# Altium PCB PCB1.PcbDoc
Units mil, origin at the board's own origin, x right, y up, seen from the top; angles counter-clockwise.
Board outline 5475 x 3255 mil, 2 copper layers (Top Layer, Bottom Layer); 17 components, 45 nets, 132 pads, 60 vias.
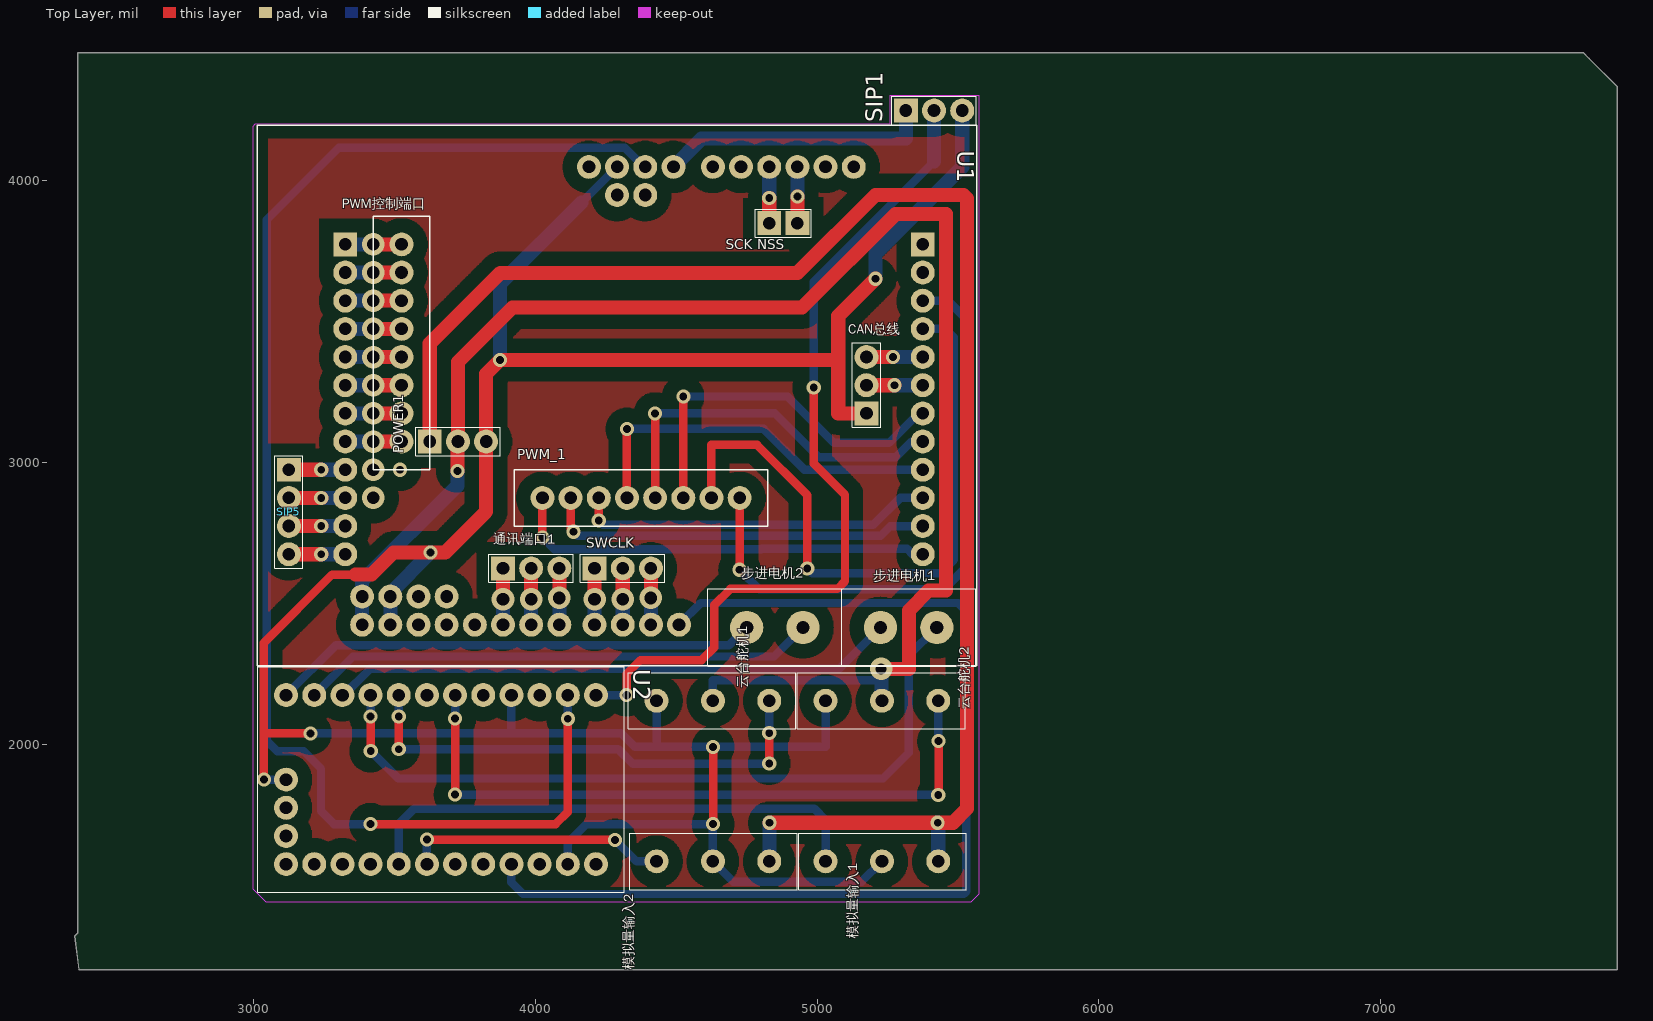
[diagram p0: Top Layer view]
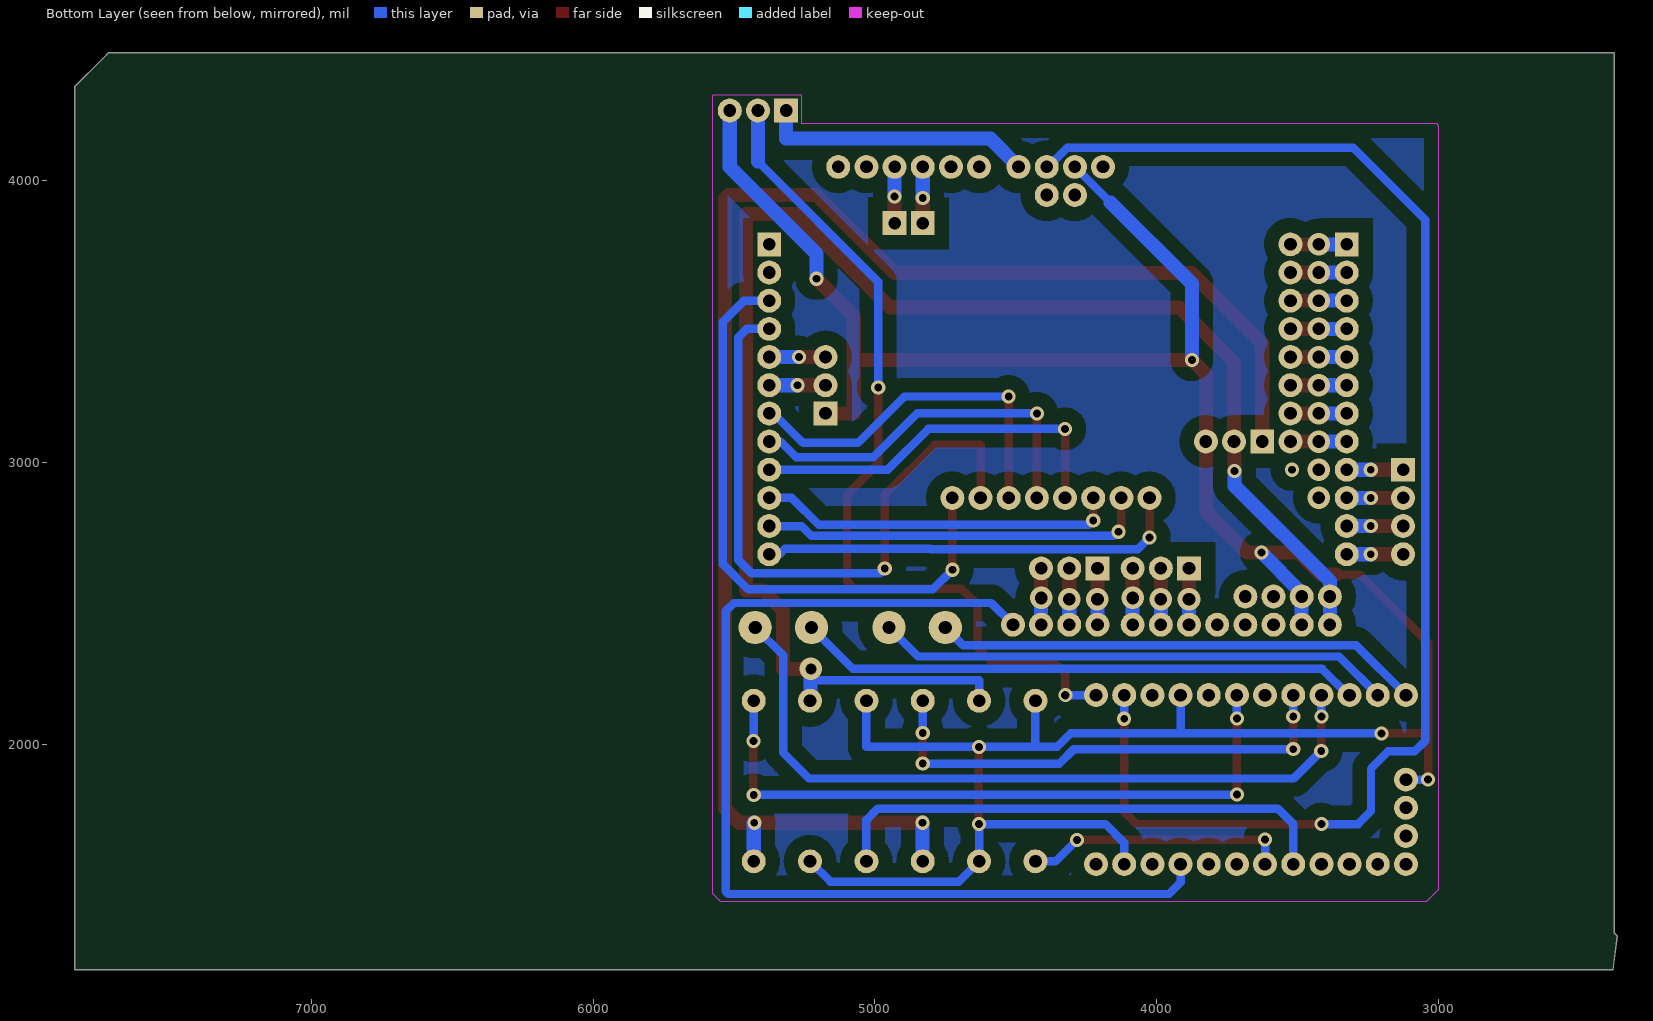
[diagram p1: Bottom Layer view, seen from below]

## Layer stack, top to bottom
Top Layer: signal copper 1.4
Dielectric: dielectric 12.6, FR-4, Dk 4.8
Bottom Layer: signal copper 1.4

## Board outline
2380,1200 7840,1200 7840,4335 7740,4435 7720,4455 2375,4455 2375,1330 2365,1320

## Design rules (kind name [scope] priority, off if disabled: settings)
Clearance [All] p1: gap=50
ComponentClearance [All] p1 off: gap=10 collisioncheckmode=3 verticalgap=10 showdistances=FALSE
PolygonConnect [All] p1: connectstyle=Relief reliefconductorwidth=10 reliefentries=4 polygonreliefangle="90 Angle"
RoutingVias [All] p1: holewidth=28 width=50 viastyle="Through Hole" minholewidth=28 minwidth=50 maxholewidth=28 maxwidth=50
SilkscreenOverComponentPads [All] p1: minsilkscreentomaskgap=10
SolderMaskExpansion [All] p1: expansion=4
Width [All] p1: maxlimit=100 minlimit=10 preferedwidth=30
26 further rules are at their usual default settings.

## Components (designator, comment, footprint, x,y, rotation, side; value= is the part's Value field where it differs from the comment)
CAN总线 "SIP3" SIP3 5175,3175 r180 top (schematic designator CAN)
POWER1 "SIP3" SIP3 3625,3075 r90 top
PWM_1 "SIP8" SIP8 4025,2875 r90 top
PWM控制端口 "PWM控制端口" SIP8 3525,3775 r0 top
"SCK NSS" "SIP2" SIP2 4930,3850 r180 top
SIP1 "SIP3" SIP3 5315,4250 r90 top
SIP5 "SIP4" SIP4 3125,2975 r0 top
SWCLK "SIP3" SIP3 4210,2625 r90 top
U1 "------STM32F407------" -----STM32F407----- 3325,3775 r0 top
U2 "ANDUINO MINI" "ARDUINO MINI" 4215,2175 r270 top
云台舵机1 "SIP3" SIP3-3MM 4830,2155 r180 top
云台舵机2 "SIP3" SIP3-3MM 5430,2155 r180 top
模拟量输入1 "SIP3" SIP3-3MM 5030,1585 r0 top
模拟量输入2 "SIP3" SIP3-3MM 4430,1585 r0 top
步进电机1 "SIP2" SIP2-3MM 5225,2415 r0 top
步进电机2 "SIP2" SIP2-3MM 4750,2415 r0 top
通讯端口1 "SIP3" SIP3 3885,2625 r90 top

## Footprints (in the part's own frame and the unit in brackets; to place one, negate y for a bottom-side part, rotate by r counter-clockwise, add the part's x,y. Pads: shape width x height; smd on the part's side, far side on the other; paste and mask are expansions set on the pad)
-----STM32F407----- [mil]
  rect 85x85 hole 45: 1(2050,0) 13(0,0)
  round 85 hole 45: 2(2050,-100) 3(2050,-200) 4(2050,-300) 5(2050,-400) 6(2050,-500) 7(2050,-600) 8(2050,-700) 9(2050,-800) 10(2050,-900) 11(2050,-1000) 12(2050,-1100) 14(0,-100) 15(0,-200) 16(0,-300) 17(0,-400) 18(0,-500) 19(0,-600) 20(0,-700) 21(0,-800) 22(0,-900) 23(0,-1000) 24(0,-1100) 25(60,-1250) 26(160,-1250) 27(260,-1250) 28(360,-1250) 29(60,-1350) 30(160,-1350) 31(260,-1350) 32(360,-1350) 33(460,-1350) 34(560,-1350) 35(660,-1350) 36(760,-1350) 37(885,-1350) 38(985,-1350) 39(1085,-1350) 40(1185,-1350) 41(1805,275) 42(1705,275) 43(1605,275) 44(1505,275) 45(1405,275) 46(1305,275) 47(1165,275) 48(1065,275) 49(965,275) 50(865,275) 51(1065,175) 52(965,175)
  silkscreen extent -313,-1495 2241,423
"ARDUINO MINI" [mil]
  round 85 hole 45: 1(0,0) 2(0,-100) 3(0,-200) 4(0,-300) 5(0,-400) 6(0,-500) 7(0,-600) 8(0,-700) 9(0,-800) 10(0,-900) 11(0,-1000) 12(0,-1100) 13(300,-1100) 14(400,-1100) 15(500,-1100) 16(600,-1100) 17(600,-1000) 18(600,-900) 19(600,-800) 20(600,-700) 21(600,-600) 22(600,-500) 23(600,-400) 24(600,-300) 25(600,-200) 26(600,-100) 27(600,0)
  silkscreen extent -100,-1200 700,100
SIP2 [mil]
  rect 85x85 hole 45: 1(0,0) 2(100,0)
  silkscreen extent -50,-50 150,50
SIP2-3MM [mm]
  round 3 hole 1.2: 1(0,0) 2(5.08,0)
  silkscreen extent -3.51,-3.51 8.59,3.51
SIP3 [mil]
  rect 85x85 hole 45: 1(0,0)
  round 85 hole 45: 2(0,-100) 3(0,-200)
  silkscreen extent -50,-250 50,50
SIP3-3MM [mil]
  round 85 hole 45: 1(0,0) 2(200,0) 3(400,0)
  silkscreen extent -95,-100 500,100
SIP4 [mil]
  rect 85x85 hole 45: 1(0,0)
  round 85 hole 45: 2(0,-100) 3(0,-200) 4(0,-300)
  silkscreen extent -50,-350 50,50
SIP8 [mil]
  round 85 hole 45: 1(0,0) 2(0,-100) 3(0,-200) 4(0,-300) 5(0,-400) 6(0,-500) 7(0,-600) 8(0,-700)
  silkscreen extent -100,-800 100,100

## Part data
PWM控制端口: library part SIP8

## Via types
v1: diameter 50, hole 28, Top Layer to Bottom Layer, 42 vias
v2: diameter 80, hole 45, Top Layer to Bottom Layer, 16 vias
v3: diameter 80, hole 40, Top Layer to Bottom Layer, 1 vias
v4: diameter 50, hole 30, Top Layer to Bottom Layer, 1 vias

## Nets (pads, with @x,y where several pads share a name; then routed paths per layer and width w, separated by ;. In a path a pad name is that pad's centre, name@x,y a point inside that pad or via, vN(x,y) a via of type N, cw(c..) or ccw(c..) an arc to the next point about the centre after c; other vN are vias at no path point)
3.3V: U1.40 U2.24 | length 3759.4
  Bottom Layer w30: U2.24 3915,1510 3956,1469 5521,1469 5530,1478 5530,2472.57 5500.57,2502 4587,2502 U1.40
5V: POWER1.2 U1.25 U1.29 云台舵机1.2 云台舵机2.2 | length 5611.8
  Top Layer w50: v1(3723,2970) POWER1.2@3723,3073 ; POWER1.2 3725,3357 3919,3551 4947,3551 5278,3882 5458,3882 5458,2546 5396,2546 5326,2476 5326,2268 v3(5227,2268)
  Bottom Layer w30: 云台舵机1.2 4630,2228 5226,2228
  Bottom Layer w50: U1.29 U1.25 3385,2580 3723,2918 v1(3723,2970) ; 云台舵机2.2@5228,2157 5228,2264 v3@5236,2272
9V: POWER1.1 模拟量输入1.3 模拟量输入2.3 | length 5638.4
  Top Layer w50: POWER1.1 3625,3423 3876,3674 4931,3674 5207,3950 5519,3950 5532,3937 5532,1772 5482,1722 v1(5428,1722) v1(4831,1722)
  Bottom Layer w50: 模拟量输入2.3@4831,1586 v1(4831,1722) ; 模拟量输入1.3 v1@5430,1722
GND: CAN总线.1 POWER1.3 SIP1.3 U1.26 U1.30 U1.49 U2.4 U2.13 U2.26 云台舵机1.3 云台舵机2.3 模拟量输入1.2 模拟量输入2.2 | length 10006.4
  Top Layer w30: v1(3036,1875) 3036,2360 3278.5,2602.5 3362.1,2602.5 ; 3037,2039 v1(3202,2039) ; v1(4631,1717) v1(4631,1991)
  Top Layer w50: 3362.1,2602.5 3418.5,2602.5 3497,2681 v1(3628,2681) 3680,2681 3825,2826 POWER1.3 3825,3315 v1(3875,3365) 5075,3365 ; CAN总线.1 5075,3175 5075,3365 ; v1(5207,3653) 5075,3521 5075,3365
  Bottom Layer w30: v1(3036,1875) U2.13 ; v1(3202,2039) 3915,2039 ; U2.4 3915,2039 ; U2.26 4115,1650 4182,1717 v1(4631,1717) 4630,1716 模拟量输入2.2 4702,1513 5158,1513 模拟量输入1.2 ; 4163.5,3923.5 U1.49 ; 云台舵机1.3 4430,1991 ; 云台舵机2.3 5030,1991 v1(4631,1991) 4430,1991 ; 3915,2039 4305,2039 4353,1991 4430,1991
  Bottom Layer w50: U1.30@3485,2415.4 U1.30 U1.26 3485,2538 v1(3628,2681) ; v1(3875,3365) 3875,3635 4163.5,3923.5 ; v1(5207,3653) 5207,3741.5 5515,4049.5 SIP1.3
NetCAN总线_2: CAN总线.2 U1.6 | length 200
  Top Layer w50: CAN总线.2 v1(5275,3275)
  Bottom Layer w50: v1(5275,3275) U1.6
NetCAN总线_3: CAN总线.3 U1.5 | length 200
  Top Layer w50: CAN总线.3 v1(5270,3375)
  Bottom Layer w50: v1(5270,3375) U1.5
NetPWM_1_1: PWM_1.1 U1.12 | length 1516.9
  Top Layer w30: v1(4025,2735) PWM_1.1
  Bottom Layer w30: v1(4025,2735) 4067.5,2692.5 4801.79,2692.5 4804.29,2695 5319.07,2695 5339.07,2675 U1.12
NetPWM_1_2: PWM_1.2 U1.11 | length 1384.9
  Top Layer w30: PWM_1.2 4125,2765 v1(4135,2755)
  Bottom Layer w30: v1(4135,2755) 4150,2740 5225,2740 5260,2775 U1.11
NetPWM_1_3: PWM_1.3 U1.10 | length 1275.6
  Top Layer w30: v1(4225,2795) PWM_1.3
  Bottom Layer w30: v1(4225,2795) 4240,2780 5200,2780 5295,2875 U1.10
NetPWM_1_4: PWM_1.4 U1.9 | length 1355.1
  Top Layer w30: PWM_1.4 v1(4325,3120)
  Bottom Layer w30: v1(4325,3120) 4810,3120 4955,2975 U1.9
NetPWM_1_5: PWM_1.5 U1.8 | length 1337
  Top Layer w30: PWM_1.5 v1(4425,3175)
  Bottom Layer w30: v1(4425,3175) 4850,3175 5005,3020 5280,3020 5335,3075 U1.8
NetPWM_1_6: PWM_1.6 U1.7 | length 1321.8
  Top Layer w30: PWM_1.6 v1(4525,3235)
  Bottom Layer w30: v1(4525,3235) 4895,3235 5060,3070 5255,3070 5360,3175 U1.7
NetPWM_1_7: PWM_1.7 U1.4 | length 2321.1
  Top Layer w30: PWM_1.7 4625,3063 4787,3063 4965,2885 v1(4965,2625)
  Bottom Layer w30: v1(4965,2625) 4982.5,2607.5 5437.5,2607.5 5485,2655 5485,3445 5455,3475 U1.4
NetPWM_1_8: PWM_1.8 U1.3 | length 2192.3
  Top Layer w30: v1(4725,2620) PWM_1.8
  Bottom Layer w30: v1(4725,2620) 4795,2550 5450,2550 5540,2640 5540,3500 5465,3575 U1.3
NetPWM控制端口_1: PWM控制端口.1 U1.13 | length 200
  Top Layer w50: v2(3425,3775) PWM控制端口.1
  Bottom Layer w50: U1.13 v2(3425,3775)
NetPWM控制端口_2: PWM控制端口.2 U1.14 | length 200
  Top Layer w50: v2(3425,3675) PWM控制端口.2
  Bottom Layer w50: U1.14 v2(3425,3675)
NetPWM控制端口_3: PWM控制端口.3 U1.15 | length 200
  Top Layer w50: v2(3425,3575) PWM控制端口.3
  Bottom Layer w50: U1.15 v2(3425,3575)
NetPWM控制端口_4: PWM控制端口.4 U1.16 | length 200
  Top Layer w50: v2(3425,3475) PWM控制端口.4
  Bottom Layer w50: U1.16 v2(3425,3475)
NetPWM控制端口_5: PWM控制端口.5 U1.17 | length 200
  Top Layer w50: v2(3425,3375) PWM控制端口.5
  Bottom Layer w50: U1.17 v2(3425,3375)
NetPWM控制端口_6: PWM控制端口.6 U1.18 | length 200
  Top Layer w50: v2(3425,3275) PWM控制端口.6
  Bottom Layer w50: U1.18 v2(3425,3275)
NetPWM控制端口_7: PWM控制端口.7 U1.19 | length 200
  Top Layer w50: v2(3425,3175) PWM控制端口.7
  Bottom Layer w50: U1.19 v2(3425,3175)
NetPWM控制端口_8: PWM控制端口.8 U1.20 | length 200
  Top Layer w50: v2(3425,3075) PWM控制端口.8
  Bottom Layer w50: U1.20 v2(3425,3075)
"NetSCK NSS_1": "SCK NSS.1" U1.43 | length 200
  Top Layer w50: 4930,3850 v1(4930,3945)
  Bottom Layer w50: v1(4930,3945) U1.43
"NetSCK NSS_2": "SCK NSS.2" U1.44 | length 200
  Top Layer w50: 4830,3850 v1(4830,3940)
  Bottom Layer w50: v1(4830,3940) U1.44
NetSIP1_1: SIP1.1 U1.47 | length 965.8
  Bottom Layer w50: U1.47 4590,4150 5314,4150 5315,4151 SIP1.1
NetSIP1_2: SIP1.2 U2.1 | length 3077.6
  Top Layer w30: v4(4324,2175) 4324,2250 4373,2299 4590,2299 4635,2344 4635,2495 4692,2552 5072,2552 5099,2579 5099,2886 4988,2997 v1(4988,3267)
  Bottom Layer w30: U2.1 v4(4324,2175) ; v1(4988,3267) 4988,3642 5415,4069
  Bottom Layer w50: 5415,4069 SIP1.2
NetSIP5_1: SIP5.1 U1.21 | length 200
  Top Layer w50: SIP5.1 v1(3240,2975)
  Bottom Layer w50: v1(3240,2975) U1.21
NetSIP5_2: SIP5.2 U1.22 | length 200
  Top Layer w50: SIP5.2 v1(3240,2875)
  Bottom Layer w50: v1(3240,2875) U1.22
NetSIP5_3: SIP5.3 U1.23 | length 200
  Top Layer w50: SIP5.3 v1(3240,2775)
  Bottom Layer w50: v1(3240,2775) U1.23
NetSIP5_4: SIP5.4 U1.24 | length 200
  Top Layer w50: SIP5.4 v1(3240,2675)
  Bottom Layer w50: v1(3240,2675) U1.24
NetSWCLK_1: SWCLK.1 U1.37 | length 200
  Top Layer w50: v2(4210,2515) SWCLK.1
  Bottom Layer w50: U1.37 v2(4210,2515)
NetSWCLK_2: SWCLK.2 U1.38 | length 200
  Top Layer w50: v2(4310,2515) SWCLK.2
  Bottom Layer w50: U1.38 v2(4310,2515)
NetSWCLK_3: SWCLK.3 U1.39 | length 200
  Top Layer w50: v2(4410,2520) SWCLK.3
  Bottom Layer w50: U1.39 v2(4410,2520)
NetU1_34: U1.34 通讯端口1.1 | length 200
  Top Layer w50: v2(3885,2515) 通讯端口1.1
  Bottom Layer w50: U1.34 v2(3885,2515)
NetU1_35: U1.35 通讯端口1.2 | length 200
  Top Layer w50: v2(3985,2515) 通讯端口1.2
  Bottom Layer w50: U1.35 v2(3985,2515)
NetU1_36: U1.36 通讯端口1.3 | length 200
  Top Layer w50: v2(4085,2520) 通讯端口1.3
  Bottom Layer w50: U1.36 v2(4085,2520)
NetU1_48: U1.48 U2.2 | length 5039.7
  Top Layer w30: v1(3415,1717) 4072,1717 4115,1760 v1(4115,2091)
  Bottom Layer w30: v1(3415,1717) 3285,1717 3239,1763 3239,1914 3177,1976 3083,1976 3046,2013 3046,3862 3301.5,4117.5 4317.96,4117.5 4385.46,4050 U1.48 ; v1(4115,2091) U2.2
NetU2_6: U2.6 云台舵机2.1 | length 2403.2
  Top Layer w30: v1(3715,1822) v1(3715,2092) ; v1(5430,1821) 5431,1822 v1(5431,2012)
  Bottom Layer w30: v1(3715,1822) 3716,1821 v1(5430,1821) ; v1(3715,2092) U2.6 ; 云台舵机2.1 5430,2013 v1(5431,2012)
NetU2_8: U2.8 云台舵机1.1 | length 1751.1
  Top Layer w30: v1(3515,1983) v1(3515,2099) ; v1(4830,1932) v1(4830,2041)
  Bottom Layer w30: v1(3515,1983) 4294,1983 4345,1932 v1(4830,1932) ; v1(3515,2099) U2.8 ; v1(4830,2041) 云台舵机1.1
NetU2_9: U2.9 步进电机1.2 | length 2672
  Top Layer w30: v1@3415,1977 v1(3415,2099)
  Bottom Layer w30: v1(3415,2099) U2.9 ; v1(3415.5,1976.5) 3513,1879 5234,1879 5325,1970 5325,2315 步进电机1.2
NetU2_10: U2.10 步进电机1.1 | length 2009.4
  Bottom Layer w30: U2.10 3319.54,2175 3412.54,2268 5078,2268 步进电机1.1
NetU2_11: U2.11 步进电机2.2 | length 1834.4
  Bottom Layer w30: U2.11 3352,2312 4847,2312 步进电机2.2
NetU2_12: U2.12 步进电机2.1 | length 1734.4
  Bottom Layer w30: U2.12 3292,2352 4687,2352 步进电机2.1
NetU2_20: U2.20 模拟量输入1.1 | length 1843.4
  Bottom Layer w30: U2.20 3515,1717 3570,1772 4990,1772 5030,1732 模拟量输入1.1
NetU2_21: U2.21 模拟量输入2.1 | length 935.3
  Top Layer w30: v1(3615,1663) 3617,1661 v1(4283,1661)
  Bottom Layer w30: U2.21 v1(3615,1663) ; v1(4283,1661) 4359,1585 模拟量输入2.1
pads on no net: U1.1 U1.2 U1.27 U1.28 U1.31 U1.32 U1.33 U1.41 U1.42 U1.45 U1.46 U1.50 U1.51 U1.52 U2.3 U2.5 U2.7 U2.14 U2.15 U2.16 U2.17 U2.18 U2.19 U2.22 U2.23 U2.25 U2.27
copper on no net:
  other v1: 3520,2975
  other v2: 3425,2875 3425,2975

## Polygon pours and split planes (outlines as drawn)
no net on Top Layer "Mechanical 1-No Net" (hatched 90Degree grid 3 track 4): 3006,4203 3007,4204 5260,4204 5260,4304 5576,4304 5576,1470 5547,1441 3043,1441 2998,1486 2998,4195 3006,4203
no net on Bottom Layer "Mechanical 1-No Net" (hatched 90Degree grid 3 track 4): 3043,1441 5547,1441 5576,1470 5576,4304 5260,4304 5260,4204 5259,4203 3006,4203 2998,4195 2998,1486 3043,1441

## Keep-outs
Keep-Out Layer:
  lines w3: 2998,1486 2998,4195 3006,4203 5259,4203 5260,4204 5260,4304 5576,4304 5576,1470 5547,1441 5489,1441 3043,1441 3014,1470 2998,1486